# KiCad board Backplane_v2.kicad_pcb (continued)
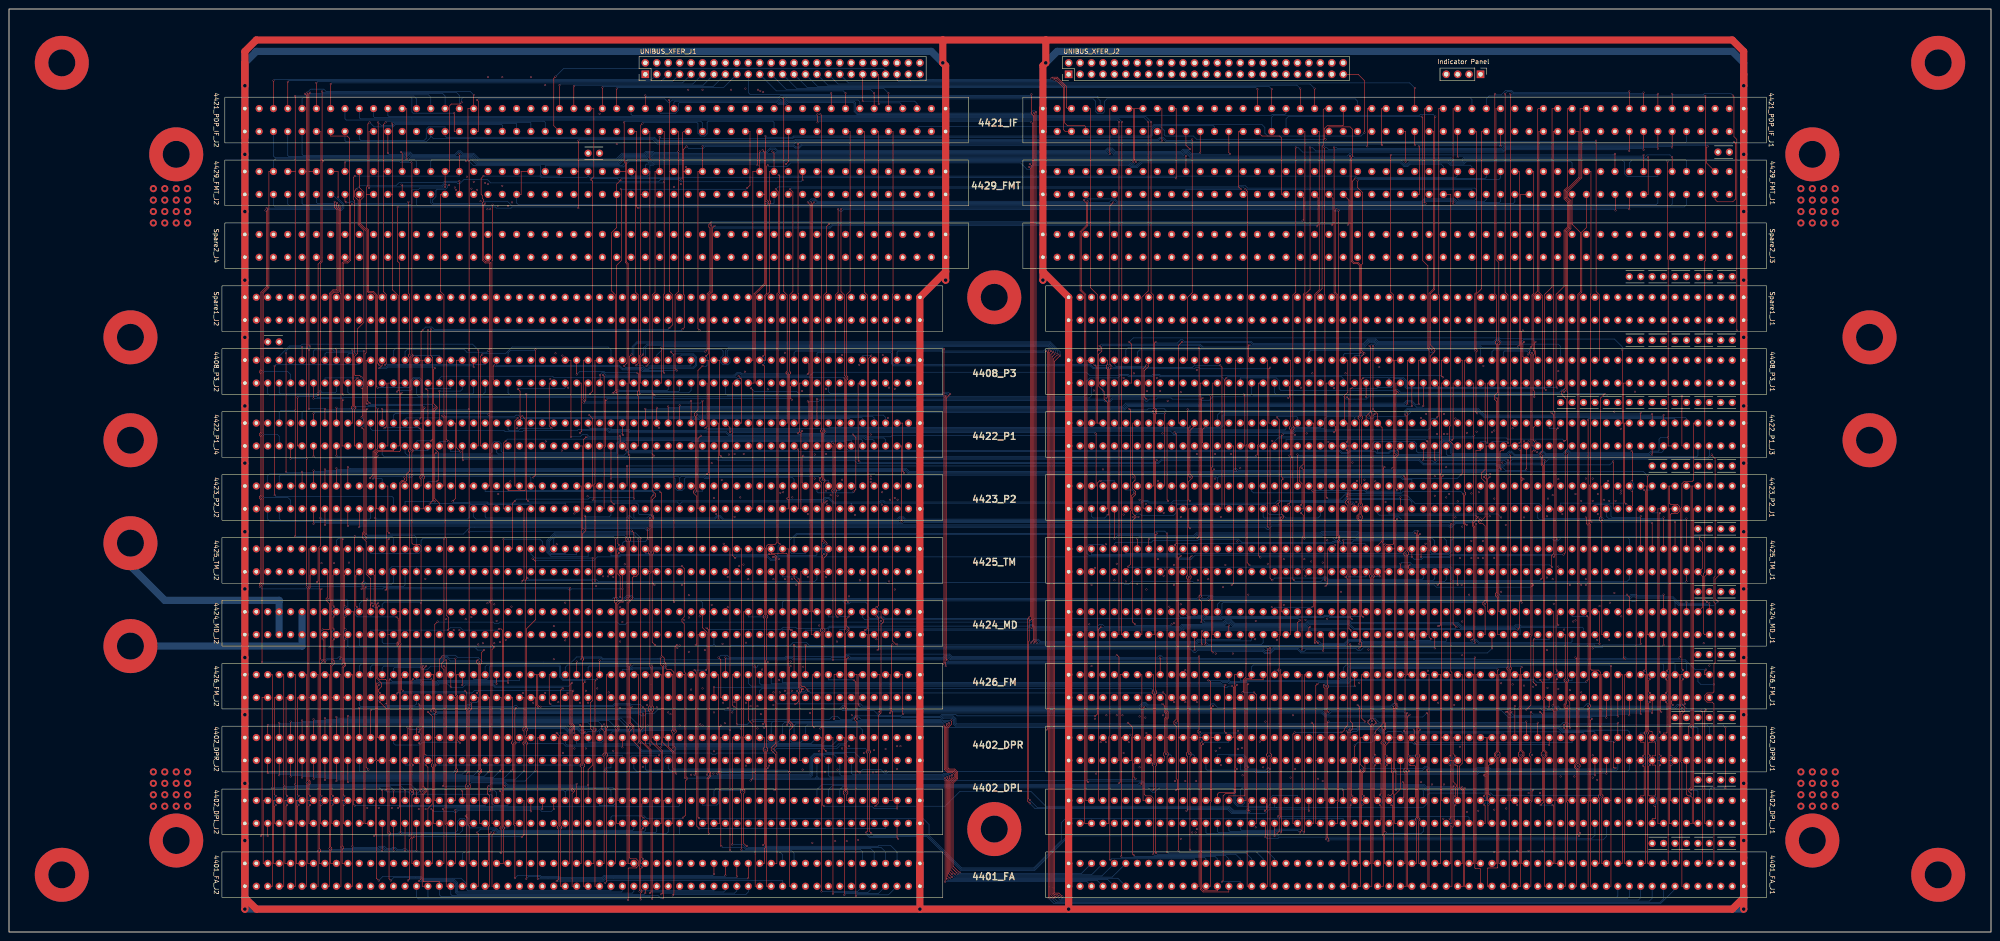
[diagram p0: board, top side]
## Routing (per net, layer and track width the routed paths; a pad name or vN(x,y) marks a point on that pad's centre or on a via; arc(x,y) is an arc through that point) (continued)
  B.Sig.Top w0.127: v2(73.57,161.04) 59.09,161.04 58.71,161.42 4429_FMT_J2.96 ; v2(103.92,53.09) 104.18,52.83 104.18,51.31 103.8,50.93 v2(102.65,50.93) ; v2(104.05,60.45) 103.8,60.2 97.95,60.2 97.19,60.96 96.94,60.96 96.43,60.45 73.7,60.45 v2(73.44,60.71)
MDCA1: length 142.1
  F.SigTop w0.127: v2(359.19,74.93) 359.7,74.42 4424_MD_J1.21 ; v2(330.74,74.93) 330.74,130.43 331,130.68 331,131.06 330.74,131.32 330.74,148.72 330.11,149.35 330.11,182.88 4421_PDP_IF_J1.35
  B.Sig.Top w0.127: v2(330.74,74.93) 331,74.68 358.94,74.68 v2(359.19,74.93)
MDCLKE: length 112.9
  F.SigTop w0.127: v2(350.3,70.23) 350.56,69.98 350.56,56.01 v2(350.18,55.63) ; 290.1,38.1 290.1,24.13 4402_DPL_J1.76 ; 290.1,38.1 290.1,54.74 v2(290.49,55.12) ; 290.1,38.1 4402_DPR_J1.76
  B.Sig.Top w0.127: v2(290.49,55.12) 290.74,55.37 297.22,55.37 297.98,56.13 338.49,56.13 339.25,55.37 349.92,55.37 v2(350.18,55.63) ; v2(350.3,70.23) 350.18,70.1 347,70.1 4424_MD_J1.31
MDCR1Q*: length 187.9
  F.SigTop w0.127: v2(299.76,64.01) 299.76,91.31 299.25,91.82 299.25,92.46 299.76,92.96 299.76,94.36 299.5,94.62 299.5,95 299.76,95.25 299.76,113.79 299.5,114.05 299.5,114.43 299.76,114.68 299.76,148.08 299.38,148.46 298.49,148.46 297.98,148.97 297.98,171.96 298.23,172.21 298.23,178.31 297.72,178.82 293.02,178.82 293.02,177.8 ; 4424_MD_J1.20 v2(362.24,64.01)
  B.Sig.Top w0.127: v2(362.24,64.01) 361.99,63.75 353.86,63.75 353.6,63.5 352.21,63.5 351.95,63.75 300.01,63.75 v2(299.76,64.01)
MDCR3*: length 356.1
  F.SigTop w0.127: v2(363.76,101.35) 363.76,66.04 4424_MD_J1.18 ; v2(272.32,102.49) 272.32,127 4408_P3_J1.89 ; 4423_P2_J2.101 v2(75.22,103.25)
  B.Sig.Top w0.127: 272.07,102.24 199.93,102.24 199.17,103 75.47,103 v2(75.22,103.25) ; 272.07,102.24 272.58,102.24 ; 272.07,102.24 v2(272.32,102.49) 272.58,102.24 ; 272.58,102.24 362.88,102.24 v2(363.76,101.35)
MDI02: length 356.7
  F.SigTop w0.127: v2(353.35,30.1) 353.35,57.66 352.84,58.17 351.32,58.17 351.06,58.42 351.06,90.55 350.81,90.8 350.81,99.19 351.06,99.44 351.06,141.61 351.19,141.73 351.19,168.91 4429_FMT_J1.23 ; 4424_MD_J2.9 193.58,71.12 193.58,69.85 194.09,69.34 194.09,68.83 193.58,68.33 193.58,48.64 193.08,48.13 193.08,28.7 v2(192.31,27.94)
  B.Sig.Top w0.127: 281.47,27.69 313.98,27.69 315,28.7 315,30.48 315.38,30.86 328.97,30.86 329.47,30.35 353.1,30.35 v2(353.35,30.1) ; 281.47,27.69 280.96,27.69 4402_DPL_J1.83 ; 281.47,27.69 275.25,27.69 274.61,27.05 271.82,27.05 270.93,27.94 230.16,27.94 226.86,31.24 211.11,31.24 207.81,27.94 v2(192.31,27.94)
MDI03: length 355.3
  F.SigTop w0.127: 4429_FMT_J1.24 350.18,156.46 349.16,155.45 349.16,142.11 348.52,141.48 348.52,37.34 348.78,37.08 348.78,36.7 348.52,36.45 348.52,22.23 v2(348.78,21.97) ; v2(191.43,21.97) 191.04,22.35 191.04,39.62 191.3,39.88 191.3,40.13 191.04,40.39 191.04,66.04 4424_MD_J2.10 ; v2(280.96,21.34) 4402_DPL_J1.84
  B.Sig.Top w0.127: v2(191.43,21.97) 191.93,21.46 203.87,21.46 211.36,13.97 227.62,13.97 235.24,21.59 279.31,21.59 279.56,21.34 v2(280.96,21.34) 281.72,21.34 281.98,21.59 348.14,21.59 348.52,21.97 v2(348.78,21.97)
MDI04: length 361.4
  F.SigTop w0.127: v2(226.6,170.56) 226.99,170.18 226.99,69.47 226.86,69.34 v2(226.73,69.34) 226.48,69.09 226.48,64.64 226.35,64.52 226.35,29.59 v2(226.6,29.34) ; 4402_DPL_J1.85 279.18,28.45 279.18,27.3 v2(278.8,26.92)
  B.Sig.Top w0.127: v2(226.73,69.34) 194.35,69.34 193.96,69.72 193.2,69.72 192.82,69.34 190.03,69.34 189.52,69.85 4424_MD_J2.11 ; 4429_FMT_J1.25 347,170.81 346.75,171.07 323.5,171.07 323,170.56 320.08,170.56 319.57,171.07 310.81,171.07 310.3,170.56 309.92,170.56 309.15,171.32 251.24,171.32 250.23,170.31 249.34,170.31 248.83,170.81 226.86,170.81 v2(226.6,170.56) ; v2(226.6,29.34) 228.25,27.69 270.8,27.69 271.69,26.8 274.74,26.8 275.25,27.3 278.67,27.3 278.8,27.18 v2(278.8,26.92)
MDI05: length 357.9
  F.SigTop w0.127: 4402_DPL_J1.86 278.93,23.62 v2(278.93,21.08) ; 4429_FMT_J1.26 347,157.23 348.9,155.32 348.9,142.24 348.27,141.61 348.27,37.47 347.76,36.96 347.76,36.7 348.27,36.19 348.27,21.59 v2(348.52,21.34) ; v2(190.28,22.1) 190.54,22.35 190.54,39.62 190.28,39.88 190.28,40.13 190.54,40.39 190.54,66.04 4424_MD_J2.12
  B.Sig.Top w0.127: v2(348.52,21.34) 348.27,21.08 281.98,21.08 281.72,20.83 279.18,20.83 v2(278.93,21.08) 278.67,21.34 235.37,21.34 227.75,13.72 211.24,13.72 203.74,21.21 191.17,21.21 v2(190.28,22.1)
MDI06: length 356.6
  F.SigTop w0.127: v2(275.37,26.8) 275.12,27.05 275.12,28.45 4402_DPL_J1.87 ; v2(226.6,28.58) 226.1,29.08 226.1,69.47 v2(226.48,69.85) 226.73,70.1 226.73,169.67 v2(226.48,169.93)
  B.Sig.Top w0.127: v2(226.6,28.58) 227.75,27.43 270.67,27.43 271.56,26.54 275.25,26.54 275.37,26.67 v2(275.37,26.8) ; 4429_FMT_J1.39 324.77,169.93 324.39,170.31 319.95,170.31 319.44,170.81 310.93,170.81 310.42,170.31 309.79,170.31 309.03,171.07 251.37,171.07 250.35,170.05 249.21,170.05 248.7,170.56 227.37,170.56 226.73,169.93 v2(226.48,169.93) ; v2(226.48,69.85) 226.22,69.6 194.47,69.6 194.09,69.98 193.08,69.98 192.69,69.6 191.17,69.6 190.54,70.23 190.54,72.9 190.15,73.28 186.85,73.28 186.46,72.89 185.72,72.89 185.07,73.53 171.99,73.53 171.74,73.28 4424_MD_J2.25
MDI07: length 400.5
  F.SigTop w0.127: v2(276.39,53.21) 276.9,52.71 276.9,24.13 4402_DPL_J1.88 ; v2(173.39,164.97) 174.03,164.34 174.03,142.24 173.26,141.48 173.26,124.59 173.52,124.33 173.52,124.08 173.26,123.82 173.26,67.31 173.52,67.06 v2(173.77,67.06) ; v2(273.85,53.21) 274.1,53.47 274.1,56.13 274.61,56.64 274.61,108.08 274.86,108.33 274.86,141.48 274.99,141.61 274.99,164.46 v2(274.48,164.97)
  B.Sig.Top w0.127: 4424_MD_J2.26 171.74,67.18 173.39,67.18 173.52,67.06 v2(173.77,67.06) ; v2(173.39,164.97) 173.64,165.23 272.96,165.23 273.21,165.48 273.98,165.48 v2(274.48,164.97) 324.65,164.97 324.77,164.85 4429_FMT_J1.40 ; v2(273.85,53.21) v2(276.39,53.21)
MDI08: length 308.3
  F.SigTop w0.127: v2(171.11,86.11) 170.72,86.49 170.72,141.48 171.11,141.86 171.11,167.89 v2(170.85,168.15) ; 170.22,71.12 4424_MD_J2.27 ; 170.22,71.12 170.22,41.91 169.2,40.89 169.2,40.39 170.22,39.37 170.22,31.75 v2(169.96,31.5) ; 170.22,71.12 170.22,83.06 169.96,83.31 v2(169.58,83.31)
  B.Sig.Top w0.127: v2(170.85,168.15) 171.11,167.89 298.99,167.89 299.25,167.64 321.22,167.64 321.6,168.02 4429_FMT_J1.41 ; v2(169.96,31.5) 169.71,31.75 156.88,31.75 156.5,31.37 4402_DPL_J2.37 ; v2(171.11,86.11) 170.72,85.73 170.72,83.95 170.09,83.31 v2(169.58,83.31)
MDI09: length 320
  F.SigTop w0.127: v2(170.22,164.97) 170.85,164.34 170.85,142.11 170.47,141.73 170.47,86.49 170.09,86.11 168.56,86.11 168.18,85.73 168.18,70.49 168.44,70.23 168.44,69.85 168.18,69.6 168.18,66.04 ; 168.18,66.04 4424_MD_J2.28 ; 168.18,66.04 168.18,60.45 167.93,60.2 167.93,45.59 v2(167.68,45.34) ; 4402_DPL_J2.38 157.77,24.13 157.77,45.59 v2(158.02,45.85)
  B.Sig.Top w0.127: v2(170.22,164.97) 170.72,165.48 272.83,165.48 273.09,165.74 274.48,165.74 274.99,165.23 325.41,165.23 325.79,164.85 325.79,162.94 325.41,162.56 321.85,162.56 321.6,162.81 4429_FMT_J1.42 ; v2(158.02,45.85) 158.28,45.59 162.47,45.59 162.6,45.72 167.3,45.72 v2(167.68,45.34)
MDI10: length 314.4
  F.SigTop w0.127: 4424_MD_J2.31 163.1,71.12 163.1,43.56 162.85,43.31 v2(162.85,31.24) ; v2(167.42,125.98) 167.68,125.73 167.68,85.47 167.93,85.22 v2(167.93,69.98) ; v2(167.42,127.89) 167.68,128.14 167.68,141.35 168.18,141.86 168.18,161.29 168.69,161.8 168.69,162.18 168.18,162.69 168.18,170.05 v2(168.44,170.31)
  B.Sig.Top w0.127: 4424_MD_J2.31 164.12,69.98 v2(167.93,69.98) ; v2(162.85,31.24) 162.6,31.5 157.77,31.5 157.52,31.24 157.52,28.58 157.13,28.19 153.96,28.19 4402_DPL_J2.39 ; v2(167.42,127.89) 167.68,127.63 167.68,126.24 v2(167.42,125.98) ; 4429_FMT_J1.43 318.43,170.05 317.92,170.56 311.06,170.56 310.55,170.05 309.66,170.05 308.9,170.81 251.5,170.81 250.48,169.8 249.08,169.8 248.57,170.31 227.49,170.31 226.6,169.42 225.97,169.42 224.57,170.81 173.52,170.81 172.76,170.05 168.69,170.05 v2(168.44,170.31)
MDI11: length 314.1
  F.SigTop w0.127: 4429_FMT_J1.44 320.08,163.83 320.08,112.52 319.82,112.27 319.82,109.09 320.58,108.33 320.58,68.45 v2(321.35,67.69) ; 4402_DPL_J2.40 154.98,24.13 154.98,34.16 155.48,34.67 155.48,35.31 155.23,35.56 155.23,67.18 v2(154.85,67.56)
  B.Sig.Top w0.127: 164.12,67.06 163.99,67.18 155.23,67.18 v2(154.85,67.56) ; 164.12,67.06 4424_MD_J2.32 ; 164.12,67.06 164.25,67.18 171.36,67.18 171.87,67.69 174.66,67.69 174.92,67.44 181.65,67.44 182.15,67.94 226.35,67.94 226.73,68.33 227.24,68.33 227.75,67.82 241.59,67.82 242.1,68.33 242.73,68.33 243.24,67.82 259.88,67.82 260.39,68.33 269.78,68.33 270.29,68.83 271.05,68.83 271.82,68.07 288.07,68.07 288.58,68.58 297.47,68.58 298.61,67.44 321.09,67.44 v2(321.35,67.69)
MDI12: length 252
  F.Sig.In w0.127: 4429_FMT_J1.81 259.37,168.91 259.62,168.66 259.62,72.9 259.75,72.77 v2(260.13,72.77) ; v2(282.99,72.64) 282.48,72.14 282.48,58.55 282.74,58.29 282.74,58.04 282.48,57.78 282.48,43.18 4402_DPR_J1.81
  B.Sig.In w0.127: v2(282.99,72.64) 282.87,72.77 v2(260.13,72.77) 193.2,72.77 192.95,73.02 192.44,73.02 192.19,72.77 161.96,72.77 161.58,72.39 4424_MD_J2.33
MDI13: length 267.8
  F.Sig.In w0.127: 4429_FMT_J1.82 259.12,163.83 259.37,163.58 259.37,82.3 v2(258.61,81.53) ; v2(279.82,39.12) 279.69,39.24 279.69,62.1 279.44,62.36 279.18,62.36 278.93,62.61 278.93,63.12 279.18,63.37 279.44,63.37 279.69,63.63 279.69,72.14 279.94,72.39 279.94,81.28 v2(279.44,81.79) ; v2(162.09,81.28) 162.6,80.77 162.6,66.04 4424_MD_J2.34
  B.Sig.In w0.127: v2(279.44,81.79) 279.18,82.04 266.23,82.04 265.72,81.53 v2(258.61,81.53) 249.46,81.53 248.7,82.3 245.78,82.3 245.15,81.66 164.75,81.66 164.37,82.04 162.85,82.04 v2(162.09,81.28) ; 4402_DPR_J1.82 283.5,39.24 279.94,39.24 v2(279.82,39.12)
MDI14: length 272
  F.Sig.In w0.127: v2(257.59,72.26) 257.08,72.77 257.08,87.88 256.58,88.39 256.58,88.65 256.83,88.9 256.83,96.01 257.08,96.27 257.08,115.32 256.58,115.82 256.58,168.66 256.32,168.91 4429_FMT_J1.83 ; v2(280.32,72.14) 279.94,71.75 279.94,63.67 280.45,63.16 280.45,62.99 279.94,62.48 279.94,43.18 4402_DPR_J1.83
  B.Sig.In w0.127: v2(280.32,72.14) 279.94,72.52 260.64,72.52 260.39,72.26 259.88,72.26 259.62,72.52 257.85,72.52 v2(257.59,72.26) 257.34,72.52 193.08,72.52 192.82,72.77 192.57,72.77 192.31,72.52 163.1,72.52 162.6,72.01 162.6,70.23 162.21,69.85 155.36,69.85 154.98,70.23 154.98,71.75 154.47,72.26 143.8,72.26 4424_MD_J2.47
MDI15: length 294.4
  F.Sig.In w0.127: v2(253.53,39.24) 254.04,39.75 254.04,52.83 253.78,53.09 253.78,53.47 254.04,53.72 254.04,115.06 253.53,115.57 253.53,115.82 254.29,116.59 254.29,123.19 254.54,123.44 254.54,130.3 255.05,130.81 255.05,131.44 254.54,131.95 254.54,141.48 256.32,143.26 256.32,163.58 256.07,163.83 4429_FMT_J1.84 ; 4424_MD_J2.48 144.82,66.04 145.2,65.66 145.2,60.58 144.82,60.2 144.82,41.78 144.31,41.27 144.31,41.02 144.82,40.51 144.82,39.75 v2(144.31,39.24)
  B.Sig.In w0.127: v2(144.31,39.24) v2(253.53,39.24) 256.32,39.24 256.58,38.99 257.08,38.99 257.34,39.24 261.4,39.24 261.66,38.99 262.16,38.99 262.42,39.24 279.06,39.24 280.2,38.1 4402_DPR_J1.84
MDI16: length 295.8
  F.Sig.In w0.127: v2(141.77,45.85) 142.28,46.36 142.28,48.89 142.02,49.15 142.02,50.04 142.28,50.29 142.28,71.12 4424_MD_J2.49 ; 4429_FMT_J1.85 253.27,168.91 253.53,168.66 253.53,143.13 252,141.61 252,120.4 251.75,120.14 251.75,94.23 252,93.98 252,50.67 252.89,49.78 252.89,44.58 v2(252.51,44.2)
  B.Sig.In w0.127: v2(141.77,45.85) 142.15,45.47 147.36,45.47 148.25,44.58 159.42,44.58 159.68,44.32 160.31,44.32 160.44,44.45 204,44.45 204.38,44.07 230.54,44.07 231.05,44.58 252.13,44.58 v2(252.51,44.2) 252.64,44.32 263.94,44.32 264.32,43.94 264.58,43.94 264.96,44.32 269.28,44.32 269.78,43.81 269.78,42.67 270.29,42.16 274.48,42.16 274.86,41.78 278.42,41.78 4402_DPR_J1.85
MDI17: length 301.7
  F.Sig.In w0.127: 4429_FMT_J1.86 252.89,163.83 253.27,163.45 253.27,143.26 251.75,141.73 251.75,120.52 251.5,120.27 251.5,49.28 250.48,48.26 250.48,47.62 251.5,46.61 251.5,37.08 v2(250.99,36.58) ; v2(278.42,36.58) 4402_DPR_J1.86 ; v2(140.75,36.7) 140.24,37.21 140.24,44.83 140.75,45.34 140.75,45.97 140.24,46.48 140.24,66.04 4424_MD_J2.50
  B.Sig.In w0.127: v2(140.75,36.7) 141.01,36.45 167.3,36.45 167.8,35.94 168.56,35.94 169.2,36.58 196.25,36.58 196.5,36.83 197.9,36.83 198.16,36.58 v2(250.99,36.58) 272.2,36.58 272.32,36.7 273.98,36.7 274.48,36.19 278.04,36.19 v2(278.42,36.58)
MDI18: length 274.7
  F.Sig.In w0.127: v2(193.58,69.09) 193.33,69.34 193.33,168.91 4429_FMT_J2.11 ; v2(277.66,42.29) 277.53,42.29 277.4,42.42 277.4,68.45 v2(276.77,69.09) ; v2(136.18,68.83) 4424_MD_J2.53
  B.Sig.In w0.127: v2(276.77,69.09) 276.51,69.34 258.23,69.34 257.72,68.83 226.22,68.83 225.97,69.09 v2(193.58,69.09) 153.32,69.09 152.82,68.58 136.43,68.58 v2(136.18,68.83) ; 4402_DPR_J1.87 275.88,42.29 v2(277.66,42.29)
MDI19: length 271.4
  F.Sig.In w0.127: v2(192.57,65.02) 193.08,65.53 193.08,163.83 4429_FMT_J2.12 ; 4402_DPR_J1.88 276.9,38.1 276.9,64.77 v2(276.64,65.02)
  B.Sig.In w0.127: v2(276.64,65.02) v2(192.57,65.02) 150.66,65.02 150.15,65.53 150.15,66.93 149.77,67.31 136.43,67.31 136.18,67.06 4424_MD_J2.54
MDI20: length 208.6
  F.Sig.In w0.127: v2(187.11,48.13) 188,49.02 188,91.57 187.23,92.33 187.23,92.71 188,93.47 188,141.48 187.87,141.61 187.87,168.91 4429_FMT_J2.13 ; v2(135.67,49.78) 135.16,50.29 135.16,63.37 136.06,64.27 136.06,64.76 135.67,65.15 135.42,65.15 135.16,65.4 135.16,71.63 v2(135.67,72.14) ; v2(156.5,48.77) 4402_DPR_J2.37
  B.Sig.In w0.127: 4424_MD_J2.55 133.64,72.14 v2(135.67,72.14) ; v2(135.67,49.78) 136.43,49.02 141.39,49.02 141.64,48.77 142.91,48.77 143.42,49.28 155.99,49.28 v2(156.5,48.77) 157.01,48.26 160.82,48.26 161.45,48.89 176.95,48.89 177.71,48.13 178.09,48.13 178.6,48.64 184.31,48.64 184.57,48.39 186.85,48.39 v2(187.11,48.13)
MDI21: length 212.5
  F.Sig.In w0.127: v2(189.77,39.75) 189.9,39.75 190.03,39.88 190.03,40.26 190.54,40.77 190.54,141.48 189.9,142.11 189.9,163.83 4429_FMT_J2.14 ; v2(134.15,40.26) 134.66,40.77 134.66,44.83 134.15,45.34 134.15,45.59 134.66,46.1 134.66,51.69 134.91,51.94 134.91,63.88 135.55,64.52 v2(135.67,64.52) ; v2(156.5,40.13) 4402_DPR_J2.38
  B.Sig.In w0.127: v2(135.67,64.52) 135.29,64.9 133.64,64.9 4424_MD_J2.56 ; v2(134.15,40.26) 134.27,40.13 v2(156.5,40.13) 157.13,39.5 189.52,39.5 v2(189.77,39.75)
MDI22: length 180.5
  F.Sig.In w0.127: v2(153.96,45.85) 4402_DPR_J2.39 ; 4429_FMT_J2.29 161.83,168.91 161.45,168.53 161.45,142.37 160.56,141.48 160.56,106.04 160.31,105.79 160.31,72.9 v2(159.55,72.14) 160.06,71.63 160.06,51.05 159.55,50.55 159.29,50.55 158.91,50.16 v2(158.91,46.36)
  B.Sig.In w0.127: 4424_MD_J2.69 115.86,70.1 136.81,70.1 137.2,70.49 137.2,71.63 138.08,72.52 154.6,72.52 154.98,72.14 v2(159.55,72.14) ; v2(153.96,45.85) 154.47,46.36 158.15,46.36 158.28,46.23 158.79,46.23 v2(158.91,46.36)
MDI23: length 190.8
  F.Sig.In w0.127: 4429_FMT_J2.30 162.47,163.83 162.47,141.61 162.6,141.48 162.6,107.31 163.61,106.3 163.61,105.92 163.1,105.41 163.1,82.17 163.49,81.79 163.49,81.28 163.1,80.9 163.1,64.77 v2(163.61,64.26) 162.85,63.5 162.85,46.1 163.1,45.85 163.1,44.83 162.85,44.58 162.85,37.72 v2(163.61,36.96)
  B.Sig.In w0.127: 4402_DPR_J2.40 153.96,36.96 v2(163.61,36.96) ; v2(163.61,64.26) 163.36,64.52 137.58,64.52 136.81,63.75 116.5,63.75 115.86,64.39 4424_MD_J2.70
MDI24: length 178.7
  F.Sig.In w0.127: 4402_DPR_J2.41 151.42,42.16 154.6,42.16 154.98,42.54 154.98,57.66 155.48,58.17 155.48,72.14 v2(155.99,72.64) 155.48,73.15 155.48,141.48 158.66,144.65 158.66,168.4 159.17,168.91 4429_FMT_J2.31
  B.Sig.In w0.127: 4424_MD_J2.71 113.32,72.26 113.7,72.64 137.45,72.64 137.58,72.77 154.72,72.77 155.1,72.39 155.74,72.39 v2(155.99,72.64)
MDI25: length 187.8
  F.Sig.In w0.127: v2(156.37,35.18) 157.52,36.32 157.52,46.23 158.02,46.74 158.02,63.63 v2(158.4,64.01) 158.02,64.39 158.02,91.95 157.77,92.2 157.77,104.77 157.52,105.03 157.52,106.04 158.02,106.55 158.02,141.61 159.29,142.88 159.29,163.83 4429_FMT_J2.32 ; v2(151.42,34.92) 4402_DPR_J2.42
  B.Sig.In w0.127: 4424_MD_J2.72 113.32,64.26 114.08,63.5 136.94,63.5 137.7,64.26 158.15,64.26 v2(158.4,64.01) ; v2(156.37,35.18) 155.74,35.18 155.36,35.56 152.06,35.56 v2(151.42,34.92)
MDI26: length 181.3
  F.Sig.In w0.127: v2(153.45,46.1) 152.94,46.61 152.94,69.72 v2(153.32,70.1) 152.94,70.49 152.94,114.43 153.2,114.68 153.2,115.06 152.94,115.32 152.94,128.14 154.98,130.18 154.98,167.89 155.99,168.91 4429_FMT_J2.33 ; v2(148.88,45.85) 4402_DPR_J2.43 ; v2(108.24,69.09) 4424_MD_J2.75
  B.Sig.In w0.127: v2(148.88,45.85) 153.2,45.85 v2(153.45,46.1) ; v2(153.32,70.1) 152.56,69.34 151.29,69.34 150.79,68.83 137.32,68.83 136.81,69.34 108.49,69.34 v2(108.24,69.09)
MDI27: length 180.2
  F.Sig.In w0.127: v2(107.73,64.13) 107.73,65.53 4424_MD_J2.76 ; v2(154.47,62.61) 154.98,63.12 154.98,66.55 154.34,67.18 154.34,67.69 154.98,68.33 154.98,100.97 154.47,101.47 154.47,101.85 155.23,102.62 155.23,163.19 155.87,163.83 4429_FMT_J2.34 ; v2(148.37,63.12) 147.86,62.61 147.86,44.96 148.12,44.7 148.12,44.45 147.61,43.94 147.61,41.27 147.86,41.02 147.86,38.1 4402_DPR_J2.44
  B.Sig.In w0.127: v2(107.73,64.13) 108.75,63.12 v2(148.37,63.12) 148.63,62.87 154.21,62.87 v2(154.47,62.61)
MDI28: length 141.2
  F.Sig.In w0.127: 4402_DPR_J2.81 101.64,43.18 101.64,53.34 101.76,53.47 101.76,53.85 101.64,53.98 101.64,69.22 v2(101.38,69.47) 101.64,69.72 v2(101.64,167.77)
  B.Sig.In w0.127: v2(101.38,69.47) 105.57,69.47 105.7,69.6 4424_MD_J2.77 ; 4429_FMT_J2.63 109.51,167.64 109.26,167.39 102.02,167.39 v2(101.64,167.77)
MDI29: length 147.7
  F.Sig.In w0.127: 4402_DPR_J2.82 99.6,38.1 99.6,66.67 v2(99.99,67.06) 99.6,67.44 99.6,148.72 98.97,149.35 98.97,164.59 v2(99.22,164.85) ; v2(109.51,165.74) 4429_FMT_J2.64
  B.Sig.In w0.127: v2(99.22,164.85) 99.99,165.61 109.38,165.61 v2(109.51,165.74) ; v2(99.99,67.06) 105.7,67.06 4424_MD_J2.78
MDI30: length 143.7
  F.Sig.In w0.127: 4402_DPR_J2.83 97.06,43.18 97.06,59.82 97.57,60.33 97.57,60.83 96.81,61.6 96.81,69.22 v2(97.06,69.47) 97.06,148.59 97.83,149.35 97.83,165.74 v2(97.7,165.86) ; 4429_FMT_J2.65 106.21,168.78 106.21,166.88 v2(105.7,166.37)
  B.Sig.In w0.127: v2(105.7,166.37) 105.45,166.12 97.95,166.12 v2(97.7,165.86) ; 4424_MD_J2.89 90.46,69.98 90.71,69.72 96.81,69.72 v2(97.06,69.47)
MDI31: length 149.1
  F.Sig.In w0.127: 4402_DPR_J2.84 99.1,38.1 99.1,60.07 98.59,60.58 98.59,61.09 99.1,61.6 99.1,66.67 v2(98.71,67.06) 99.1,67.44 99.1,148.84 98.71,149.22 98.71,165.1 v2(98.97,165.35) ; v2(106.33,166.12) 4429_FMT_J2.66
  B.Sig.In w0.127: v2(98.97,165.35) 99.48,165.86 106.08,165.86 v2(106.33,166.12) ; 4424_MD_J2.90 90.46,67.31 90.71,67.56 98.21,67.56 v2(98.71,67.06)
MDI32: length 256.3
  F.Sig.In w0.127: v2(150.28,169.93) 150.02,169.93 149.77,169.67 149.77,166.12 149.64,165.99 149.64,149.48 150.4,148.72 150.4,70.36 v2(150.91,69.85) 150.4,69.34 150.4,34.42 150.53,34.29 150.53,34.04 150.4,33.91 150.4,29.21 4402_DPL_J2.41
  B.Sig.In w0.127: v2(150.91,69.85) 106.33,69.85 105.45,68.96 96.3,68.96 95.79,69.47 88.05,69.47 87.92,69.6 4424_MD_J2.91 ; v2(150.28,169.93) 103.16,169.93 4429_FMT_J2.67
MDI33: length 258.6
  F.Sig.In w0.127: v2(103.16,166.62) 4429_FMT_J2.68 ; v2(149.13,166.12) 149.39,165.86 149.39,149.35 150.15,148.59 150.15,69.6 v2(149.9,69.34) 150.15,69.09 150.15,35.05 149.51,34.42 149.51,34.04 150.15,33.4 150.15,24.13 4402_DPL_J2.42
  B.Sig.In w0.127: v2(149.9,69.34) 149.64,69.6 106.46,69.6 105.57,68.71 95.67,68.71 95.53,68.57 88.29,68.57 87.92,68.2 4424_MD_J2.92 ; v2(103.16,166.62) 103.41,166.88 106.46,166.88 106.97,166.37 109.76,166.37 110.02,166.12 145.83,166.12 146.09,166.37 148.88,166.37 v2(149.13,166.12)
MDI34: length 218.7
  F.SigTop w0.127: 86.65,71.12 86.65,99.69 87.28,100.33 87.67,100.33 87.79,100.46 v2(87.79,100.97) ; 86.65,71.12 4424_MD_J2.93 ; 86.65,71.12 86.65,64.39 86.4,64.13 86.4,63.88 86.65,63.63 86.65,27.81 v2(86.4,27.56) ; v2(80.17,100.84) 80.81,101.47 80.81,106.68 81.32,107.19 81.32,141.48 80.81,141.99 79.79,141.99 79.54,142.24 79.54,155.83 78.01,157.35 78.01,162.56 78.78,163.32 78.78,164.34 77.76,165.35 4429_FMT_J2.83
  B.Sig.Top w0.127: v2(87.79,100.97) 87.54,101.22 80.55,101.22 v2(80.17,100.84) ; 4402_DPL_J2.43 148.88,28.07 148.63,27.81 86.65,27.81 v2(86.4,27.56)
MDI35: length 222.5
  F.SigTop w0.127: 84.11,66.04 4424_MD_J2.94 ; 84.11,66.04 84.11,87.12 v2(84.36,87.38) ; 84.11,66.04 v2(84.11,21.84) ; v2(79.28,87.38) 79.28,87.76 78.78,88.26 78.78,88.52 79.03,88.77 79.03,128.4 79.28,128.65 79.28,155.7 77.76,157.23 4429_FMT_J2.84
  B.Sig.Top w0.127: 4402_DPL_J2.44 148.88,21.84 148.63,21.59 101.76,21.59 101.64,21.72 101.64,24.64 101.13,25.15 100.11,25.15 99.6,24.64 99.6,22.61 99.1,22.1 87.28,22.1 87.15,22.23 86.74,22.23 86.35,21.84 v2(84.11,21.84) ; v2(79.28,87.38) v2(84.36,87.38)
MDI36: length 180.6
  F.SigTop w0.127: v2(91.86,31.37) 91.48,31.75 v2(91.48,73.02) 91.48,85.73 91.09,86.11 89.7,86.11 89.44,86.36 89.44,106.55 89.7,106.81 89.7,107.06 89.44,107.31 89.44,127.63 89.7,127.89 89.7,128.14 89.44,128.4 89.44,170.81 v2(89.32,170.94) ; 4429_FMT_J2.85 v2(74.59,170.94) ; 4402_DPL_J2.81 v2(100.62,31.37)
  B.Sig.Top w0.127: v2(74.59,170.94) 74.84,171.2 86.65,171.2 86.9,170.94 v2(89.32,170.94) ; v2(91.86,31.37) 92.11,31.62 100.37,31.62 v2(100.62,31.37) ; v2(91.48,73.02) 91.22,73.28 83.35,73.28 82.84,72.77 4424_MD_J2.95
MDI37: length 179.7
  F.SigTop w0.127: v2(86.9,21.84) v2(86.9,64.01) 86.9,99.57 87.41,100.08 88.05,100.08 88.3,100.33 88.3,101.73 88.94,102.36 88.94,106.55 88.68,106.81 88.68,107.06 88.94,107.31 88.94,127.63 88.68,127.89 88.68,128.14 88.94,128.4 88.94,141.61 88.68,141.86 v2(88.68,162.18) ; 4429_FMT_J2.86 74.59,162.31 v2(74.84,162.05)
  B.Sig.Top w0.127: v2(86.9,21.84) 99.99,21.84 100.62,22.48 4402_DPL_J2.82 ; v2(74.84,162.05) 75.73,162.05 75.85,162.18 76.36,162.18 76.74,161.8 88.3,161.8 v2(88.68,162.18) ; 4424_MD_J2.96 82.84,64.39 83.22,64.01 v2(86.9,64.01)
MDI38: length 207.6
  F.SigTop w0.127: 4402_DPL_J2.83 99.1,29.21 99.1,35.18 99.6,35.69 99.6,36.07 99.35,36.32 99.35,52.32 99.1,52.58 v2(99.1,60.71) ; 4429_FMT_J2.87 73.06,168.91 v2(73.06,163.19) ; v2(69.38,76.2) 69.12,75.95 69.12,71.12 ; 69.12,71.12 4424_MD_J2.105 ; 69.12,71.12 69.12,60.71 v2(69.38,60.45) ; v2(55.66,76.71) 55.66,77.47 55.92,77.72 55.92,96.01 55.66,96.27 55.66,96.77 55.92,97.03 55.92,109.98 55.66,110.24 55.66,110.74 55.92,111 55.92,123.95 55.66,124.21 55.66,124.61 55.92,124.86 55.92,142.11 57.19,143.38 57.19,160.02 v2(56.93,160.27)
  B.Sig.Top w0.127: v2(56.93,160.27) 57.31,160.27 57.57,160.53 73.06,160.53 73.31,160.27 73.82,160.27 74.33,160.78 74.33,161.67 73.06,162.94 v2(73.06,163.19) ; v2(55.66,76.71) 56.17,76.2 v2(69.38,76.2) ; v2(99.1,60.71) 97.83,60.71 97.32,61.21 96.81,61.21 96.3,60.71 74.08,60.71 73.57,61.21 73.31,61.21 72.81,60.71 70.52,60.71 70.27,60.45 v2(69.38,60.45)
MDI39: length 208.5
  F.SigTop w0.127: v2(56.17,59.94) 56.17,76.84 55.92,77.09 55.92,77.34 56.17,77.6 56.17,96.14 55.92,96.39 55.92,96.65 56.17,96.9 56.17,110.11 55.92,110.36 55.92,110.62 56.17,110.87 56.17,124.08 55.92,124.33 55.92,124.5 56.17,124.76 56.17,141.99 57.44,143.26 57.44,160.53 v2(57.19,160.78) ; 4424_MD_J2.106 v2(70.14,59.94) ; 4402_DPL_J2.84 97.06,24.13 v2(97.06,60.45)
  B.Sig.Top w0.127: v2(57.19,160.78) 73.19,160.78 73.44,160.53 73.7,160.53 74.08,160.91 74.08,161.54 71.79,163.83 4429_FMT_J2.88 ; v2(97.06,60.45) 96.81,60.2 72.17,60.2 71.92,60.45 70.65,60.45 v2(70.14,59.94) v2(56.17,59.94)
MDUSE*: length 142.5
  F.SigTop w0.127: 4408_P3_J1.96 264.45,121.92 264.45,74.93 264.2,74.68 264.2,73.91 264.7,73.41 v2(264.7,68.83)
  B.Sig.Top w0.127: v2(264.7,68.83) 264.96,68.58 269.66,68.58 270.17,69.09 271.18,69.09 271.94,68.33 287.94,68.33 288.45,68.83 297.6,68.83 297.98,68.45 321.6,68.45 322.36,67.69 334.3,67.69 334.55,67.94 335.32,67.94 335.57,67.69 349.29,67.69 349.54,67.44 4424_MD_J1.30
MDWRT3: length 265.2
  F.SigTop w0.127: 4424_MD_J1.7 v2(377.48,73.02) ; v2(137.07,73.66) 137.2,73.79 137.2,86.74 136.94,87 136.94,87.5 137.2,87.76 137.2,93.98 4423_P2_J2.54
  B.Sig.Top w0.127: v2(137.07,73.66) 137.2,73.79 265.97,73.79 266.36,74.17 266.86,74.17 267.12,73.91 359.83,73.91 360.34,74.42 360.97,74.42 361.22,74.17 369.35,74.17 370.75,72.77 377.23,72.77 v2(377.48,73.02)
MDWRT*: length 172
  F.SigTop w0.127: v2(376.59,185.67) 376.59,149.1 376.46,148.97 376.46,79.88 376.21,79.63 376.21,66.29 376.46,66.04 4424_MD_J1.8
  B.Sig.Top w0.127: v2(376.59,185.67) 328.58,185.67 327.95,185.04 4421_PDP_IF_J1.37
MIA*: length 326.7
  F.SigTop w0.127: 318.04,43.18 318.04,101.09 v2(318.3,101.35) ; 318.04,43.18 318.04,29.21 4402_DPL_J1.53 ; 318.04,43.18 4402_DPR_J1.53 ; 4423_P2_J2.105 v2(70.14,102.74)
  B.Sig.Top w0.127: v2(318.3,101.35) 317.92,101.73 199.68,101.73 198.92,102.49 70.39,102.49 v2(70.14,102.74)
MIB*: length 323
  F.SigTop w0.127: v2(320.08,90.68) 320.08,57.91 320.33,57.66 320.33,38.1 ; 4402_DPL_J1.54 320.33,24.13 320.33,38.1 ; 320.33,38.1 4402_DPR_J1.54 ; 4423_P2_J2.106 v2(70.14,90.42)
  B.Sig.Top w0.127: v2(320.08,90.68) 319.82,90.93 198.54,90.93 198.28,90.68 70.39,90.68 v2(70.14,90.42)
NOP*: length 191.5
  F.SigTop w0.127: v2(64.04,118.75) 64.04,107.95 4422_P1_J4.110
  B.Sig.Top w0.127: 4408_P3_J1.116 240.32,119.13 239.81,118.62 207.81,118.62 207.55,118.87 143.42,118.87 143.29,118.75 68.49,118.75 68.24,119 64.3,119 v2(64.04,118.75)
